# Allegro board RK_EVB1_RK3576_LP4XD200P132SD6_V12_20240530YWQ.brd (continued)
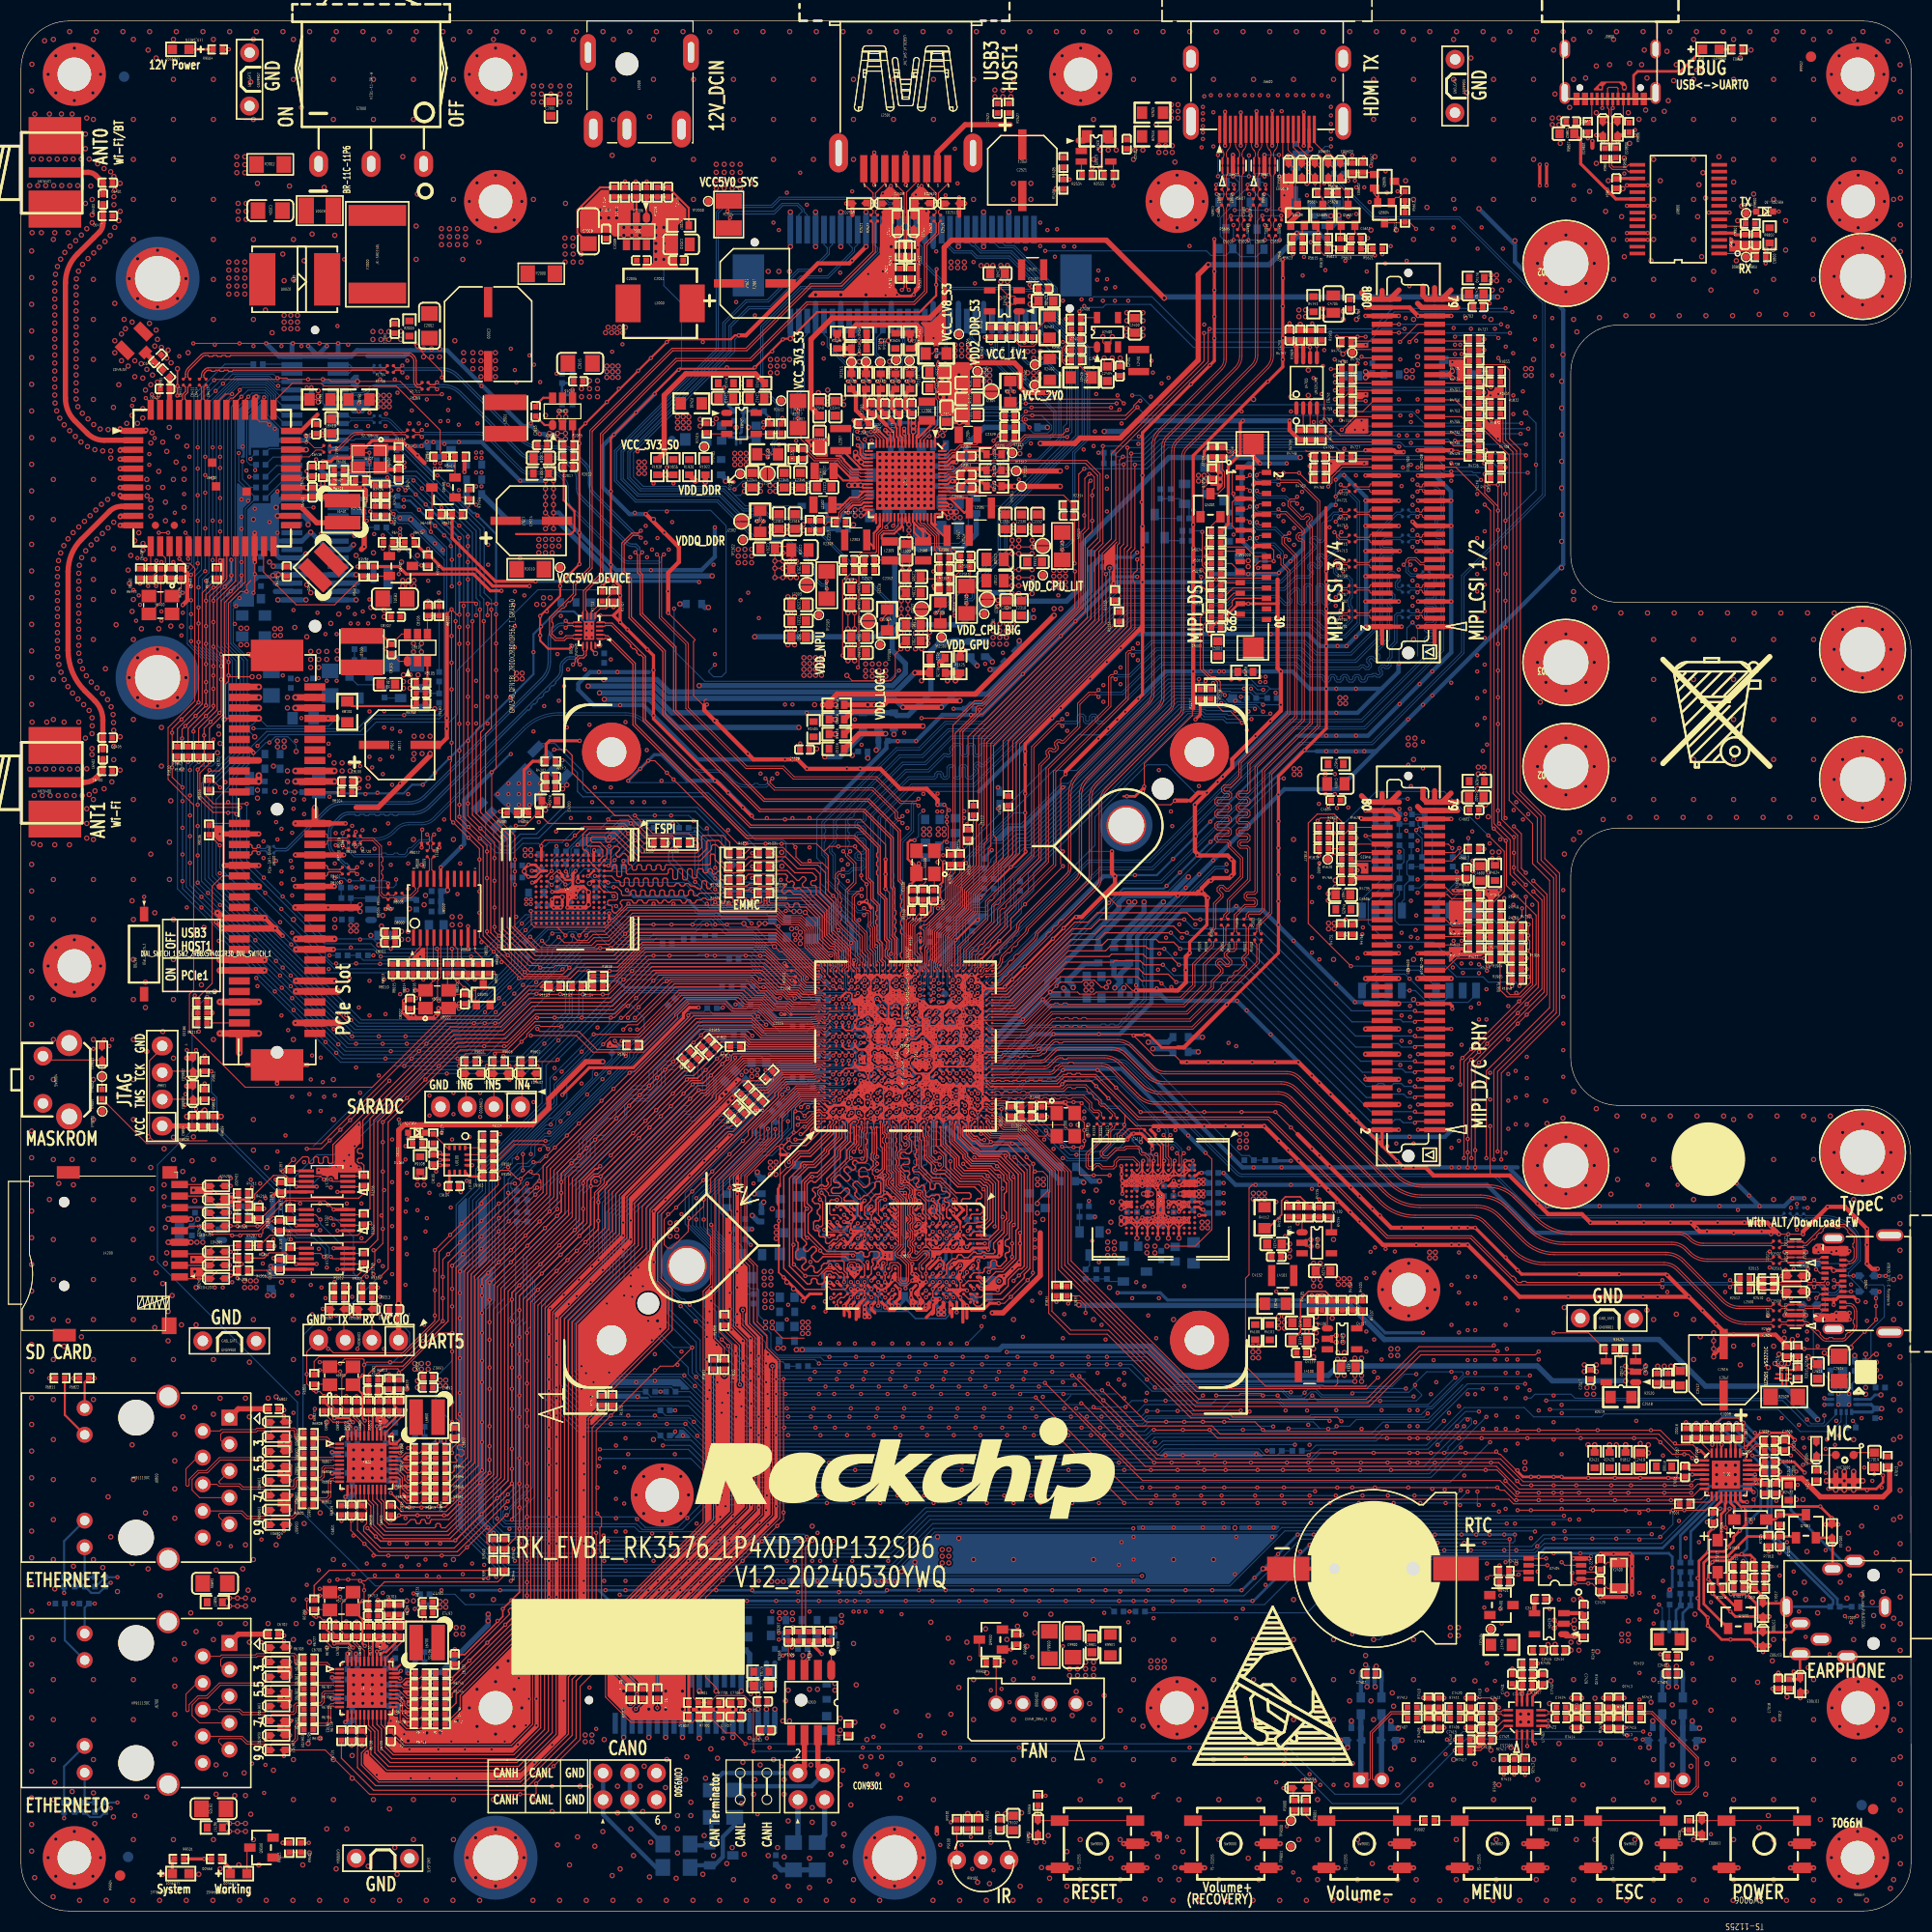
[diagram p0: board, top side]
## Routing (per net, layer and track width the routed paths; a pad name or vN(x,y) marks a point on that pad's centre or on a via; arc(x,y) is an arc through that point) (continued)
LPDDR4_DQ6_B: length 17.1
  TOP w0.097: 76.93,64.67 78.42,64.67 U3800.Y4
  TOP w0.102: U1000.A5 75.97,76.89 74.72,76.89
  TOP w0.137: 74.72,76.89 74.62,76.89 v1(74.29,76.56) ; 76.93,64.67 76.7,64.67 v1(76.49,64.88)
  L4-SIG w0.117: v1(76.49,64.88) 76.49,65.05 76,65.54 76,67.36 75.7,67.66 75.7,69 75.99,69.29 75.99,74.86 74.29,76.56 v1(74.29,76.56)
LPDDR4_DQ7_A: length 15
  TOP w0.137: U1000.AB1 87.6,74.61 87.6,72.93 88.89,71.63 88.89,70.74 89.64,70 91.54,70 91.91,69.63 92.16,69.63 92.57,69.22 92.57,65.66 91.62,64.71 90.76,64.71 U3800.B4
LPDDR4_DQ7_B: length 17.6
  TOP w0.137: U3800.AA4 77.91,64.37 77.77,64.23 77.77,64.07 77.65,63.95 77.35,63.95 76.97,63.57 76.76,63.57 76.62,63.71 76.62,64.07 76.48,64.21 76.12,64.21 75.99,64.34 75.99,64.67 75.85,64.81 75.63,64.81 75.49,64.95 75.49,65.59 75.63,65.73 75.96,65.73 76.09,65.87 76.09,66.17 75.84,66.41 75.84,66.71 76.09,66.96 76.09,67.24 75.96,67.38 75.61,67.38 75.38,67.61 75.38,67.8 75.67,68.09 75.67,68.34 75.4,68.61 75.4,68.77 75.52,68.89 75.89,68.89 76.15,69.15 76.34,69.15 76.49,69.01 76.68,69.01 76.88,69.2 76.88,69.4 76.73,69.54 76.73,69.73 78.67,71.67 78.67,72.47 79.34,73.15 79.34,73.52 79.34,73.53 79.34,74.62 U1000.G1
LPDDR4_DQ8_A: length 24.2
  TOP w0.137: U3800.B11 90.61,58.77 90.93,58.45 91.44,58.45 91.75,58.76 93.25,58.76 94.02,59.53 94.02,60.14 95.04,61.16 95.29,61.16 95.54,61.41 95.54,70.33 94.14,71.74 94.14,72.09 93.87,72.36 91.35,72.36 91.13,72.59 90.91,72.59 89.68,73.81 89.68,74.61 U1000.AF1
LPDDR4_DQ8_B: length 22
  TOP w0.102: U1000.1A1 77.04,75.02 76.82,74.8 76.82,74.53
  TOP w0.137: v1(73.14,71.32) 73.14,71.49 74.03,72.38 74.97,72.38 76.82,74.23 76.82,74.53 ; U3800.AA11 77.87,58.77 77.47,58.37 v1(77.13,58.37)
  L4-SIG w0.117: v1(77.13,58.37) 76.97,58.53 76.43,58.53 75.61,59.36 75.61,60.88 73.14,63.34 v1(73.14,71.32)
LPDDR4_DQ9_A: length 27.2
  TOP w0.137: U3800.C11 90.25,58.29 90.55,58.29 90.74,58.1 90.74,57.84 90.97,57.6 91.35,57.6 91.99,58.24 93.47,58.24 95.54,60.32 95.54,60.65 96.08,61.18 96.08,70.91 94.02,72.97 92.61,72.97 92.5,72.85 91.33,72.85 90.86,73.32 90.62,73.32 90.03,73.91 90.03,74.79 89.65,75.17 U1000.1AB1
LPDDR4_DQ9_B: length 24.1
  TOP w0.137: v1(73.13,72.68) 73.35,72.9 74.76,72.9 76.53,74.67 U1000.B1 ; v1(77.69,57.61) 77.75,57.67 77.75,58.1 78.06,58.42 78.36,58.42 U3800.Y11
  L4-SIG w0.117: v1(77.69,57.61) 76.49,57.61 75.11,58.99 75.11,60.67 72.64,63.14 72.64,72.19 73.13,72.67 v1(73.13,72.68)
LPDDR4_DQ10_A: length 23.4
  TOP w0.137: v1(88.79,58.44) U3800.E11 ; v1(91.73,73.43) 91.4,73.43 91.04,73.79 90.77,73.79 90.47,74.09 90.47,74.8 U1000.1AD1
  L4-SIG w0.117: v1(88.79,58.44) 89.18,58.06 91.42,58.06 92.75,59.39 92.75,60.2 94.03,61.48 94.03,70.56 91.73,72.85 v1(91.73,73.43)
LPDDR4_DQ10_B: length 23.3
  TOP w0.102: 75.76,74.94 76.11,74.94 76.38,75.22 U1000.B2
  TOP w0.137: 75.76,74.94 75.22,74.41 75.22,74.16 74.54,73.47 v1(73.75,73.47) ; v1(79.69,58.44) U3800.V11
  L4-SIG w0.117: v1(79.69,58.44) 79.33,58.08 78.6,58.08 77.69,58.99 76.68,58.99 76.12,59.55 76.12,59.96 76.12,61.46 73.75,63.83 v1(73.75,73.47)
LPDDR4_DQ11_A: length 21.9
  TOP w0.137: U3800.F11 v1(88.14,58.44) ; U1000.AH1 v1(90.84,74.31)
  L4-SIG w0.117: v1(88.14,58.44) 88.52,58.83 89.57,58.83 89.78,58.62 91.27,58.62 92.21,59.56 92.21,60.37 93.53,61.69 93.53,65.55 93.11,65.97 93.11,69.53 92.5,70.15 92.5,71.06 90.84,72.72 v1(90.84,74.31)
LPDDR4_DQ11_B: length 22.9
  TOP w0.137: v1(80.99,58.44) U3800.U11 ; v1(74.25,73.99) 74.43,73.99 74.97,74.53 74.97,74.6 75.59,75.22 U1000.A2
  L4-SIG w0.117: v1(80.99,58.44) 80.58,58.85 78.92,58.85 78.29,59.49 76.89,59.49 76.62,59.75 76.62,61.66 74.25,64.03 v1(74.25,73.99)
LPDDR4_DQ12_A: length 23.7
  TOP w0.137: U3800.F9 88.15,60.7 88.15,61.52 88.74,62.11 89.02,62.11 89.16,62.25 89.16,62.36 89.3,62.5 89.55,62.5 89.82,62.22 90.19,62.22 90.72,62.75 90.9,62.75 91.04,62.61 91.43,62.61 91.57,62.75 91.79,62.75 91.93,62.61 92.61,62.61 92.75,62.75 92.75,62.94 92.62,63.06 92.62,63.6 93.63,64.6 93.63,65.69 93.86,65.92 93.86,66.52 93.64,66.75 93.64,68.3 93.86,68.52 93.86,69.32 93.6,69.58 93.6,70.07 93.12,70.56 92.78,70.56 92.38,70.96 90.46,70.96 90.07,71.34 90.07,71.34 89.7,71.71 89.7,71.99 88.44,73.25 U1000.1Y1
LPDDR4_DQ12_B: length 24.8
  TOP w0.137: U3800.U9 80.99,60.69 80.99,61.34 81.16,61.51 81.16,61.7 81.07,61.79 81.07,62.05 81.19,62.17 81.52,62.17 81.74,62.4 81.74,62.67 81.6,62.81 80.92,62.81 80.78,62.67 80.78,62.44 80.64,62.3 80.37,62.3 80.23,62.44 80.23,62.67 80.1,62.81 79.92,62.81 79.77,62.65 79.54,62.65 79.38,62.81 76.75,62.81 74.97,64.59 74.97,66.39 75.33,66.74 75.33,66.94 74.86,67.4 74.86,69.24 75.16,69.53 75.36,69.53 75.48,69.41 75.67,69.41 78.02,71.75 78.02,72.34 78.99,73.31 78.99,74.9 79.25,75.17 U1000.1E1
LPDDR4_DQ13_A: length 21.8
  TOP w0.137: v1(88.14,76.07) U1000.1W2 ; U3800.E9 v1(88.79,60.69)
  L4-SIG w0.117: v1(88.79,60.69) 89.04,60.95 89.04,62.31 89.29,62.56 90.4,62.56 90.74,62.89 90.74,65.57 90.62,65.69 90.33,65.69 90.21,65.81 90.21,66.04 90.33,66.16 90.62,66.16 90.74,66.27 90.74,66.51 90.62,66.62 90.33,66.62 90.21,66.74 90.21,66.97 90.33,67.09 90.62,67.09 90.74,67.21 90.74,67.44 90.62,67.56 90.33,67.56 90.21,67.68 90.21,67.91 90.33,68.03 90.62,68.03 90.74,68.14 90.74,68.79 88.87,70.65 88.87,71.55 87.73,72.7 87.73,74.34 88.51,75.12 88.51,75.7 v1(88.14,76.07)
LPDDR4_DQ13_B: length 24.4
  TOP w0.137: U1000.1C1 78.51,74.9 78.51,73.46 77.51,72.46 77.51,71.99 75.83,70.31 75.2,70.31 74.35,69.45 74.35,64.13 74.8,63.67 74.8,63.48 74.53,63.21 74.53,63.01 74.72,62.82 74.91,62.82 75.36,63.27 75.56,63.27 75.74,63.08 75.74,62.87 75.3,62.42 75.3,62.23 75.7,61.83 75.89,61.83 76.38,62.32 78.51,62.32 78.78,62.05 79.79,62.05 80.34,61.51 80.34,60.51 80.2,60.37 U3800.V9
LPDDR4_DQ14_A: length 21.5
  TOP w0.137: v1(88.79,76.11) 88.79,76.11 U1000.1AA3 ; v1(90.09,60.84) 90.09,60.69 U3800.C9
  L4-SIG w0.117: v1(90.09,60.84) 89.96,60.98 89.96,61.93 90.07,62.05 90.59,62.05 91.23,62.69 91.23,66.45 91.35,66.57 91.49,66.57 91.61,66.69 91.61,66.92 91.49,67.04 91.35,67.04 91.23,67.15 91.23,67.39 91.35,67.5 91.49,67.5 91.61,67.62 91.61,67.85 91.49,67.97 91.35,67.97 91.23,68.09 91.23,69.03 90.64,69.62 90.64,69.79 90.79,69.94 90.79,70.1 90.63,70.27 90.46,70.27 90.31,70.12 90.14,70.12 89.37,70.89 89.37,71.76 88.84,72.29 88.84,72.63 88.72,72.74 88.42,72.74 88.31,72.86 88.31,73.09 88.42,73.21 88.72,73.21 88.84,73.33 88.84,73.56 88.72,73.68 88.34,73.68 88.23,73.8 88.23,74.03 88.34,74.15 88.72,74.15 88.84,74.26 88.84,75.97 88.79,76.02 v1(88.79,76.11)
LPDDR4_DQ14_B: length 23.9
  TOP w0.137: U3800.Y9 78.72,60.66 78.39,60.99 78.39,61.78 78.25,61.92 76.97,61.92 76.73,61.68 76.48,61.68 76.24,61.44 76.24,61.19 75.85,60.8 75.66,60.8 75.52,60.94 75.52,61.28 75.35,61.45 75.15,61.45 74.76,61.05 74.57,61.05 74.37,61.25 74.37,61.44 74.76,61.83 74.76,62.03 74.57,62.22 74.38,62.22 74.18,62.03 73.99,62.03 73.78,62.24 73.78,62.76 74,62.98 74,63.65 73.83,63.83 73.83,69.67 74.99,70.83 75.62,70.83 76.94,72.15 76.94,72.4 78.19,73.65 U1000.E1
LPDDR4_DQ15_A: length 23
  TOP w0.137: U3800.B9 90.42,60.48 90.72,60.78 91.58,60.78 91.72,60.92 91.72,61.15 91.86,61.29 92.23,61.29 92.37,61.42 92.37,61.85 92.51,61.99 92.78,61.99 92.92,61.85 92.92,61.54 93.05,61.4 93.28,61.4 93.85,61.97 93.85,62.19 93.73,62.31 93.73,62.58 93.86,62.71 94.01,62.71 94.15,62.85 94.15,63.15 94.01,63.29 93.86,63.29 93.73,63.42 93.73,63.79 93.89,63.95 94.01,63.95 94.14,64.09 94.14,65.47 94.38,65.71 94.38,69.53 94.12,69.79 94.12,70.29 93.01,71.4 90.64,71.4 90.64,71.4 90.42,71.62 90.14,71.9 90.14,72.17 88.9,73.42 88.9,74.9 89.04,75.05 U1000.1AA1
LPDDR4_DQ15_B: length 23.2
  TOP w0.137: U3800.AA9 77.99,60.37 77.58,60.78 77.33,60.78 77.17,60.94 76.71,60.94 76.49,60.72 76.49,59.9 76.31,59.71 75.95,59.71 75.81,59.85 75.81,60.1 75.68,60.23 75.4,60.23 75.26,60.1 75.26,59.85 75.13,59.71 74.89,59.71 73.19,61.41 73.19,69.79 74.24,70.84 74.24,71.13 74.46,71.34 75.4,71.34 76.49,72.44 76.49,72.59 77.64,73.74 U1000.D1
LPDDR4_DQS0N_A: length 13.1
  TOP w0.107: U3800.E3 v1(88.79,65.49) ; U1000.Y1 86.5,74.61 86.5,74.31 86.38,74.19 86.38,73.89 86.5,73.77 86.5,71.86 87.05,71.3 87.28,71.3 v1(87.5,71.08)
  L4-SIG w0.089: v1(87.5,71.08) 87.7,71.29 87.82,71.29 87.92,71.19 87.92,70.56 88.08,70.4 88.08,70.16 88.28,69.97 88.51,69.97 88.71,69.77 88.71,69.54 88.91,69.34 89.14,69.34 89.34,69.14 89.34,68.86 89.18,68.7 89.18,68.42 89.34,68.25 89.34,67.97 89.18,67.81 89.18,67.53 89.34,67.36 89.34,66.8 89.18,66.63 89.18,66.35 89.34,66.19 89.34,65.44 89.12,65.22 88.88,65.22 88.79,65.31 v1(88.79,65.49)
LPDDR4_DQS0N_B: length 19.1
  TOP w0.107: v1(79.97,72.3) 79.77,72.5 79.77,72.65 80.02,72.91 80.02,74.27 80.12,74.37 80.12,74.81 80.04,74.88 U1000.1F1 ; U3800.V3 v1(80.34,65.49)
  L4-SIG w0.089: v1(80.34,65.49) 80.18,65.66 80.18,65.98 79.82,66.34 79.82,66.47 79.91,66.56 80.02,66.56 80.26,66.79 80.26,67.17 79.92,67.51 79.92,67.78 79.69,68.02 79.22,68.02 79.13,68.11 79.13,68.4 79.22,68.49 79.98,68.49 80.54,67.93 80.96,67.93 81.19,68.17 81.19,68.91 80.6,69.5 80.6,70.7 80.36,70.94 79.78,70.94 79.54,70.7 79.54,69.45 79.45,69.36 79.22,69.36 79.13,69.45 79.13,70.91 79.76,71.54 79.76,72.1 v1(79.97,72.3)
LPDDR4_DQS0P_A: length 13.2
  TOP w0.107: U3800.D3 v1(88.79,64.84) ; v1(87.5,71.74) 87.28,71.53 87.14,71.53 86.72,71.95 86.72,75.09 U1000.1U1
  L4-SIG w0.089: v1(88.79,64.84) 88.92,64.97 89.23,64.97 89.59,65.33 89.59,69.25 88.18,70.66 88.18,71.29 87.93,71.54 87.7,71.54 v1(87.5,71.74)
LPDDR4_DQS0P_B: length 18.6
  TOP w0.107: U3800.W3 v1(79.69,65.49) ; U1000.H1 79.9,74.61 79.9,74.46 79.8,74.36 79.8,73 79.54,72.75 79.54,72.54 v1(79.31,72.3)
  L4-SIG w0.089: v1(79.31,72.3) 79.51,72.1 79.51,71.64 78.88,71.01 78.88,69.34 79.11,69.1 79.56,69.1 79.8,69.34 79.8,70.59 79.89,70.68 80.25,70.68 80.34,70.59 80.34,69.4 80.94,68.8 80.94,68.28 80.85,68.19 80.64,68.19 80.08,68.75 79.11,68.75 78.88,68.51 78.88,68 79.11,67.76 79.58,67.76 79.67,67.67 79.67,67.4 80.01,67.07 80.01,66.9 79.92,66.81 79.8,66.81 79.57,66.57 79.57,66.24 79.92,65.88 79.92,65.73 v1(79.69,65.49)
LPDDR4_DQS1N_A: length 23.2
  TOP w0.107: U3800.E10 v1(88.14,59.89) ; v1(89.9,76.11) U1000.1AB3
  L4-SIG w0.089: v1(88.14,59.89) 88.35,59.68 88.35,59.55 88.59,59.31 89.69,59.31 92.76,62.37 92.76,64.67 92.36,65.07 92.36,65.36 92.5,65.5 92.5,68.91 91.61,69.79 91.61,70.56 91.1,71.06 90.59,71.06 90.45,71.21 90.45,72.2 89.83,72.82 89.83,73.6 90.08,73.86 90.08,74.75 89.58,75.26 89.58,76.18 89.66,76.27 89.74,76.27 v1(89.9,76.11)
LPDDR4_DQS1N_B: length 23.3
  TOP w0.102: U1000.B3 76.38,75.77 76.11,76.04 75.83,76.04 75.82,76.04
  TOP w0.107: v1(73.98,75.53) 74.2,75.31 74.74,75.31 75.36,75.93 75.71,75.93 75.82,76.04 ; U3800.V10 v1(79.69,59.89)
  L4-SIG w0.089: v1(79.69,59.89) 79.48,60.11 79.48,60.28 79.12,60.64 78.62,60.64 78.53,60.72 78.53,62.17 78.01,62.7 77.15,62.7 75.22,64.62 75.22,65.86 75.45,66.09 75.45,67.15 74.99,67.62 74.99,68.04 75.22,68.26 75.22,69.32 74.99,69.54 74.99,70.34 75.22,70.58 75.22,74.93 74.83,75.32 74.19,75.32 v1(73.98,75.53)
LPDDR4_DQS1P_A: length 23.2
  TOP w0.107: U3800.D10 v1(88.79,59.89) ; v1(89.9,76.71) U1000.1AB4
  L4-SIG w0.089: v1(89.9,76.71) 89.9,76.62 89.8,76.53 89.56,76.53 89.32,76.29 89.32,75.15 89.83,74.64 89.83,73.96 89.58,73.71 89.58,72.72 90.19,72.1 90.19,71.11 90.49,70.81 90.99,70.81 91.35,70.45 91.35,69.69 92.24,68.8 92.24,67.49 92.11,67.35 92.11,67.05 92.24,66.91 92.24,66.61 92.11,66.47 92.11,66.17 92.24,66.04 92.24,65.6 92.11,65.47 92.11,64.96 92.5,64.57 92.5,63.86 92.37,63.72 92.37,63.42 92.5,63.28 92.5,62.48 89.59,59.57 88.7,59.57 88.61,59.65 88.61,59.71 v1(88.79,59.89)
LPDDR4_DQS1P_B: length 22.4
  TOP w0.107: v1(73.98,74.87) 74.2,75.09 74.84,75.09 75.45,75.71 75.93,75.71 U1000.A3 ; U3800.W10 v1(79.04,59.89)
  L4-SIG w0.089: v1(73.98,74.87) 74.17,75.07 74.73,75.07 74.97,74.82 74.97,74.38 74.85,74.26 74.85,73.96 74.97,73.84 74.97,73.56 74.81,73.4 74.81,73.12 74.97,72.95 74.97,70.68 74.74,70.45 74.74,69.44 74.96,69.21 74.96,68.37 74.74,68.14 74.74,67.51 75.2,67.05 75.2,66.19 74.97,65.96 74.97,64.52 77.05,62.44 77.9,62.44 78.28,62.06 78.28,60.62 78.52,60.38 79.02,60.38 79.23,60.17 79.23,60.08 v1(79.04,59.89)
LPDDR4_RESET: length 43.1
  TOP w0.114: U1000.1U5 86.39,77.82 v1(86.39,77.82) ; U3800.T11 81.64,58.44 v1(81.64,57.64)
  L4-SIG w0.091: v1(86.39,77.82) 86.79,78.22 91.41,78.22 91.99,77.65 91.99,74.99 95.49,71.49 95.49,60.2 93.53,58.24 92.88,58.24 91.94,57.3 89.95,57.3 89.67,57.57 88.98,57.57 88.66,57.89 86.97,57.89 86.1,57.02 81.9,57.02 81.64,57.28 v1(81.64,57.64)
  BOTTOM w0.114: v1(81.64,57.64) 81.74,57.74 C3800.1
MIC2N: length 5.5
  TOP w0.102: C7006.2 167.95,43.85 C7020.2 168.34,44.24 168.56,44.24 170.19,42.62 170.86,42.62 170.98,42.49 R7014.1
MIC2P: length 6.8
  TOP w0.102: C7005.2 167.97,44.82 C7020.1 168.34,44.44 168.65,44.44 170.09,43 170.62,43 ED7004.1 171.05,43.43 MIC7000.4
MIC_INP_PHONE: length 31.7
  TOP w0.254: C7002.2 162.52,46.35 162.54,46.37 162.54,46.37 v1(162.65,46.47) ; R7007.1 165.02,30.83 R7009.1 165.88,29.97 ED7000.1 167.81,29.3 J7000.4
  BOTTOM w0.254: J7000.4 C7014.1 172.59,29.26 172.59,29.62 166.36,35.85 166.36,42.76 v1(162.65,46.47)
MIPI_CSI1/2_AVDD0V75: length 47
  TOP w0.229: U1000.2L11 v1(87.17,85.62)
  TOP w0.508: v2(89.42,115.26) 82.52,115.26 81.51,114.24 79.17,114.24 R1500.1
  L4-SIG w0.178: 88.92,89.37 88.37,88.82 88.37,86.62 87.37,85.62 v1(87.17,85.62)
  L4-SIG w0.508: v2(89.42,115.26) 89.42,109.81 93.07,106.17 v1(93.07,105) 93.07,96.34 92.26,95.54 92.26,93.57 88.92,90.22 88.92,89.37
  BOTTOM w0.305: v1(87.17,85.62) 87.45,85.9 C1500.1
  BOTTOM w0.508: C1501.1 93.17,105.11 v1(93.07,105)
MIPI_CSI1/2_AVDD1V8: length 37.5
  TOP w0.229: v1(87.41,86.57) U1000.1W20
  L4-SIG w0.178: v1(87.41,86.57) 87.8,86.96 87.8,88.72 87.67,88.85 87.67,89.57
  L4-SIG w0.457: 87.67,91.26 87.67,91.87 90.13,94.33 90.13,96.45 91.83,98.15 91.83,105.68 88.23,109.28 v2(88.23,117.17)
  L4-SIG w0.508: 87.67,89.57 87.67,91.26
  BOTTOM w0.305: C1502.1 87.78,86.64 87.47,86.64 v1(87.41,86.57)
  BOTTOM w0.508: R1501.1 89,118.24 88.23,117.47 v2(88.23,117.17)
MIPI_CSI1/2_D2N: length 2.9
  TOP w0.089: CON4700.21 133.55,130.32 133.46,130.4 133.46,130.51 133.37,130.6 133.21,130.6 v1(133,130.39)
  BOTTOM w0.089: R4712.2 132.34,130.6 132.78,130.6 v1(133,130.39)
MIPI_CSI1/2_D2P: length 2.9
  TOP w0.089: CON4700.23 133.55,131.12 133.46,131.03 133.46,130.92 133.37,130.83 133.21,130.83 v1(133,131.04)
  BOTTOM w0.089: R4714.2 132.34,130.83 132.78,130.83 v1(133,131.04)
MIPI_CSI1/2_D3N: length 2.9
  TOP w0.089: v1(133,132.79) 133.21,133 133.37,133 133.46,132.91 133.46,132.8 133.55,132.72 CON4700.27
  BOTTOM w0.089: v1(133,132.79) 132.78,133 132.34,133 R4716.2
MIPI_CSI1/2_D3P: length 2.9
  TOP w0.089: CON4700.29 133.55,133.52 133.46,133.43 133.46,133.32 133.37,133.23 133.21,133.23 v1(133,133.44)
  BOTTOM w0.089: v1(133,133.44) 132.78,133.23 132.34,133.23 R4718.2
MIPI_CSI1_CLKN: length 5.6
  TOP w0.089: CON4700.15 133.92,127.92 133.63,128.2 133.25,128.2 132.79,128.66 132.22,128.66 132.12,128.56 132.12,128.43 v1(132.34,128.22)
  BOTTOM w0.089: R4708.2 133.33,127.34 132.43,127.34 132.12,127.64 132.12,128 v1(132.34,128.22)
MIPI_CSI1_CLKP: length 6.3
  TOP w0.089: v1(131.68,128.22) 131.9,128.43 131.9,128.65 132.13,128.89 132.88,128.89 133.34,128.43 133.6,128.43 133.89,128.72 CON4700.17
  BOTTOM w0.089: R4710.2 133.33,127.11 132.33,127.11 131.9,127.55 131.9,128 v1(131.68,128.22)
MIPI_CSI1_D0N: length 2.9
  TOP w0.089: CON4700.3 133.55,123.12 133.46,123.2 133.46,123.31 133.37,123.4 133.21,123.4 v1(133,123.19)
  BOTTOM w0.089: R4700.2 132.34,123.4 132.78,123.4 v1(133,123.19)
MIPI_CSI1_D0P: length 2.9
  TOP w0.089: CON4700.5 133.55,123.92 133.46,123.83 133.46,123.72 133.37,123.63 133.21,123.63 v1(133,123.84)
  BOTTOM w0.089: v1(133,123.84) 132.78,123.63 132.34,123.63 R4704.2
MIPI_CSI1_D1N: length 2.9
  TOP w0.089: CON4700.9 133.55,125.52 133.46,125.6 133.46,125.71 133.37,125.8 133.21,125.8 v1(133,125.59)
  BOTTOM w0.089: R4706.2 132.34,125.8 132.78,125.8 v1(133,125.59)
MIPI_CSI1_D1P: length 2.9
  TOP w0.089: v1(133,126.24) 133.21,126.03 133.37,126.03 133.46,126.12 133.46,126.23 133.55,126.32 CON4700.11
  BOTTOM w0.089: R4703.2 132.34,126.03 132.78,126.03 v1(133,126.24)
MIPI_CSI1_RX_XHS/MIPI_CSI2_PWM: length 4.4
  TOP w0.102: CON4700.59 137.82,145.52 R4756.2 R4757.2
MIPI_CSI1_RX_XVS/MIPI_CSI1_PWM: length 4.4
  TOP w0.102: R4755.2 R4753.2 137.83,144.72 CON4700.57
MIPI_CSI2_CLKN: length 3
  TOP w0.089: CON4700.33 133.55,135.12 133.46,135.2 133.46,135.31 133.37,135.4 133.21,135.4 v1(133,135.19)
  BOTTOM w0.089: R4720.2 133.66,135.4 133.21,135.4 v1(133,135.19)
MIPI_CSI2_CLKP: length 3
  TOP w0.089: v1(133,135.84) 133.21,135.63 133.37,135.63 133.46,135.72 133.46,135.83 133.55,135.92 CON4700.35
  BOTTOM w0.089: v1(133,135.84) 133.21,135.63 133.66,135.63 R4722.2
MIPI_CSI2_I2C_SCL/SAI_LRCK: length 52.1
  TOP w0.102: v1(131.33,149.44) 133.01,151.12 CON4700.73
  L4-SIG w0.102: v1(131.33,149.44) 129.7,147.8 129.7,107.4 132.12,104.97 v1(132.29,104.97)
  BOTTOM w0.102: v1(132.29,104.97) 132.47,104.79 R4744.2 R4743.2
MIPI_CSI2_I2C_SDA: length 51.6
  TOP w0.102: v1(132.24,149.42) 133.13,150.32 CON4700.71
  L4-SIG w0.102: v1(132.07,105.92) 130.22,107.78 130.22,147.4 v1(132.24,149.42)
  BOTTOM w0.102: R4742.2 130.48,105.92 v1(132.07,105.92)
MIPI_CSI3/4_AVDD0V75: length 29.1
  TOP w0.229: U1000.2D11 v1(81.97,85.62)
  L4-SIG w0.203: v1(81.97,85.62) 81.75,85.62 80.94,86.43 80.05,86.43 78.53,87.96 78.53,88.84
  L4-SIG w0.508: v2(75.78,110.69) 75.78,93.14 77.89,91.03 77.89,89.86 78.53,89.23 78.53,88.84
  BOTTOM w0.305: v1(81.97,85.62) 81.95,85.6 C1507.1
MIPI_CSI3/4_AVDD1V8: length 32.6
  TOP w0.229: v1(82.01,86.17) 82.01,86.16 82.07,86.16 U1000.2D12
  L4-SIG w0.203: v1(82.01,86.17) 82,86.16 81.71,86.16 80.77,87.1 80.77,88.97 80.56,89.18
  L4-SIG w0.508: 80.56,89.18 79.88,89.86 79.03,89.86 78.5,90.39 78.5,91.41 76.6,93.31 76.6,109.87 v2(76.54,109.93)
  BOTTOM w0.305: C1510.1 81.94,86.22 82,86.17 v1(82.01,86.17)
  BOTTOM w0.508: R1507.1 80.19,112.11 78.01,109.93 v2(76.54,109.93)
MIPI_CSI3/4_D2N: length 2.8
  TOP w0.089: CON4700.22 128.55,130.32 128.46,130.4 128.46,130.51 128.37,130.6 127.26,130.6 R4713.1
MIPI_CSI3/4_D2P: length 2.8
  TOP w0.089: CON4700.24 128.55,131.12 128.46,131.03 128.46,130.92 128.37,130.83 127.26,130.83 R4715.1
MIPI_CSI3/4_D3N: length 2.8
  TOP w0.089: R4717.1 127.26,133 128.37,133 128.46,132.91 128.46,132.8 128.55,132.72 CON4700.28
MIPI_CSI3/4_D3P: length 2.8
  TOP w0.089: R4719.1 127.26,133.23 128.37,133.23 128.46,133.32 128.46,133.43 128.55,133.52 CON4700.30
MIPI_CSI3_CLKN: length 2.8
  TOP w0.089: CON4700.16 128.55,127.92 128.46,128 128.46,128.11 128.37,128.2 127.26,128.2 R4709.1
MIPI_CSI3_CLKP: length 2.8
  TOP w0.089: CON4700.18 128.55,128.72 128.46,128.63 128.46,128.52 128.37,128.43 127.26,128.43 R4711.1
MIPI_CSI3_D0N: length 2.8
  TOP w0.089: R4701.1 127.26,123.4 128.37,123.4 128.46,123.31 128.46,123.2 128.55,123.12 CON4700.4
MIPI_CSI3_D0P: length 2.8
  TOP w0.089: CON4700.6 128.55,123.92 128.46,123.83 128.46,123.72 128.37,123.63 127.26,123.63 R4705.1
MIPI_CSI3_D1N: length 2.8
  TOP w0.089: R4702.1 127.26,125.8 128.37,125.8 128.46,125.71 128.46,125.6 128.55,125.52 CON4700.10
MIPI_CSI3_D1P: length 2.8
  TOP w0.089: R4707.1 127.26,126.03 128.37,126.03 128.46,126.12 128.46,126.23 128.55,126.32 CON4700.12
MIPI_CSI3_RX_XHS/MIPI_CSI4_PWM: length 4.1
  TOP w0.102: R4764.2 R4763.2 127.01,145.52 CON4700.60
MIPI_CSI3_RX_XVS/MIPI_CSI3_PWM: length 4.4
  TOP w0.102: CON4700.58 128.7,144.72 128.59,144.83 R4759.2 125.78,143.93 R4761.2
MIPI_CSI4_CLKN: length 2.8
  TOP w0.089: CON4700.34 128.55,135.12 128.46,135.2 128.46,135.31 128.37,135.4 127.26,135.4 R4721.1
MIPI_CSI4_CLKP: length 2.8
  TOP w0.089: R4723.1 127.26,135.63 128.37,135.63 128.46,135.72 128.46,135.83 128.55,135.92 CON4700.36
MIPI_CSI4_I2C_SCL/SAI_SDI0/SPDIF_RX: length 72.8
  TOP w0.102: v1(142.95,95.49) 142.95,94.73 R4751.2 R4749.2 R4750.2 ; CON4700.74 v1(131.23,151.12)
  L4-SIG w0.102: v1(140.96,151.12) 141.05,151.02 141.05,142.1 140.12,141.17 140.12,111.85 140.72,111.25 140.72,105.78 142.95,103.54 v1(142.95,95.49)
  BOTTOM w0.102: v1(131.23,151.12) v1(140.96,151.12)
MIPI_CSI4_I2C_SDA/SAI_SCLK: length 83.8
  TOP w0.102: v1(143.68,94.76) 143.97,94.48 143.97,88.22 142.81,87.07 141.52,87.07 140.87,87.72 R4746.2 R4747.2 ; CON4700.72 v1(131.23,150.32)
  L4-SIG w0.102: v1(141.81,150.28) 141.76,150.24 141.76,141.92 141.02,141.18 141.02,111.95 141.22,111.75 141.22,106.28 143.68,103.83 143.68,96.21 143.55,96.08 143.55,94.89 v1(143.68,94.76)
  BOTTOM w0.102: v1(141.81,150.28) 131.26,150.28 v1(131.23,150.32)
MIPI_CSI_SAI_MCLK: length 3
  TOP w0.102: CON4700.70 126.78,149.52 R4745.2
MIPI_DCPHY_AVDD: length 104.7
  TOP w0.229: U1000.2M7 87.49,82.69 v1(87.81,83.02)
  TOP w0.508: R1503.1 R1502.1 v2(84.67,149.65)
  L4-SIG w0.089: 90.28,83.34 90.08,83.34 ; 90.28,83.34 90.59,83.34 90.75,83.18 ; 90.28,83.34 90.09,83.15 ; 90.08,83.34 90.08,83.16 ; 90.08,83.34 89.9,83.34 ; 90.08,83.16 90.09,83.15 ; 90.08,83.16 89.9,83.34 ; 90.09,83.15 90.09,82.88 ; 89.39,82.82 89.39,83.16 ; 89.39,82.82 89.59,82.62 ; 89.39,82.82 89.19,82.62 ; 89.39,83.16 89.58,83.34 ; 89.39,83.16 89.21,83.34 ; 90.34,82.62 90.09,82.87 ; 90.09,82.87 90.09,82.88 ; 90.09,82.87 90.09,82.63 90.08,82.62 ; 88.6,83.34 88.93,83.34 ; 88.6,83.34 88.33,83.34 ; 88.6,83.34 88.77,83.18 88.93,83.34 ; 88.93,83.34 89.21,83.34 ; 88.14,83.34 88.33,83.34 ; 88.14,83.34 v1(87.81,83.02) 87.81,83.25 87.9,83.34 88.14,83.34 ; 88.33,83.34 88.01,83.02 88,83.02 ; 89.83,82.62 90.09,82.88 ; 90.88,82.67 90.8,82.75 90.8,82.88 ; 90.8,82.88 90.74,82.88 90.75,82.88 90.75,82.93 ; 90.8,82.88 90.75,82.93 ; 90.8,82.88 90.8,83.13 90.75,83.18 ; 90.75,82.93 90.75,83.18 ; 89.9,83.34 89.58,83.34 ; 89.58,83.34 89.21,83.34
  L4-SIG w0.102: 88.05,82.62 87.92,82.62 87.81,82.72 v1(87.81,83.02) ; 88.05,82.62 88.05,82.78 v1(87.81,83.02) ; 88.05,82.62 88.39,82.62 ; 88.56,82.62 88.39,82.62 ; 88.56,82.62 88.86,82.62 ; 88.56,82.62 88.71,82.77 88.86,82.62 ; 88.39,82.62 88,83.02 v1(87.81,83.02) ; 90.8,82.75 90.67,82.62 ; 90.67,82.62 91.17,82.62 ; 90.67,82.62 90.49,82.62 ; 91.17,82.62 91.29,82.62 91.99,83.32 ; 91.17,82.62 91.22,82.67 ; 90.49,82.62 88.86,82.62 ; 90.49,82.62 90.74,82.88
  L4-SIG w0.152: 91.26,82.71 90.96,82.71 90.94,82.73 ; 91.26,82.71 91.22,82.67 90.88,82.67 ; 91.26,82.71 91.28,82.73 ; 91.99,83.32 91.87,83.32 91.52,82.96 ; 91.52,82.96 91.52,83.29 91.61,83.38 ; 91.52,82.96 91.28,82.73 ; 91.28,82.73 90.94,82.73 ; 90.94,82.73 90.8,82.88
  L4-SIG w0.305: 90.88,149.13 90.88,149.3 90.41,149.77 87.89,149.77 87.37,149.25 86.65,149.25 86.26,149.65 v2(84.67,149.65)
  L4-SIG w0.508: 90.88,149.13 90.88,139.61 91.84,138.65 91.84,134.67 91.1,133.93 91.1,120.08 91.61,119.57 92.77,119.57 96.87,115.47 96.87,112.81 98.06,111.61 98.06,93.59 99.29,92.36 v2(99.29,87.9) 94.72,83.32 91.99,83.32
  BOTTOM w0.305: C1504.1 87.52,83.31 v1(87.81,83.02)
  BOTTOM w0.508: v2(99.29,87.9) 99.68,87.51 C1505.1
MIPI_DCPHY_AVDD1V2: length 44.9
  TOP w0.229: v1(87.81,83.67) 87.49,83.34 U1000.2M8
  L4-SIG w0.178: v1(87.81,83.67) 88.54,84.4 92.04,84.4 92.55,84.91
  L4-SIG w0.508: 92.55,84.91 96.84,89.2 96.84,111.11 95.65,112.3 95.65,114.88 v2(92.3,118.23)
  BOTTOM w0.305: C1506.1 87.6,83.88 v1(87.81,83.67)
  BOTTOM w0.508: v2(92.3,118.23) 93.06,118.23 R1504.1
MIPI_DCPHY_AVDD1V8: length 45
  TOP w0.229: U1000.2P8 v1(89.12,83.67)
  L4-SIG w0.178: v1(89.12,83.67) 89.49,84.04 92.55,84.04
  L4-SIG w0.508: 92.55,84.04 92.91,84.4 94.02,84.4 97.45,87.83 97.45,111.36 96.26,112.56 96.26,115.22 v2(92.51,118.96)
  BOTTOM w0.305: C1509.1 89.43,83.35 v1(89.12,83.67)
  BOTTOM w0.508: v2(92.51,118.96) 92.02,119.46 R1506.1
MIPI_DCPHY_VREG: length 1
  TOP w0.229: v1(88.46,83.02) 88.14,82.69 U1000.2N7
  BOTTOM w0.305: v1(88.46,83.02) 88.23,82.79 C1503.1
MIPI_DPHY_CSI0_CAM_CLKOUT: length 157.5
  TOP w0.102: CON4600.39 135.61,89.6 136.73,90.73 v1(139.35,90.73)
  L4-SIG w0.102: v1(136.59,50.8) 136.59,73.73 139.2,76.34 139.2,90.59 v1(139.35,90.73)
  BOTTOM w0.102: R1951.2 75.28,78.3 73.51,78.3 73.21,78 72.87,78 72.75,78.12 72.37,78.12 60.63,66.39 60.63,60.29 65.7,55.22 65.7,51.47 69.65,47.52 106.29,47.52 107,48.23 113.35,48.23 113.86,48.74 119.74,48.74 120.25,48.23 134.02,48.23 v1(136.59,50.8)
MIPI_DPHY_CSI0_PDN_H: length 163.5
  TOP w0.102: v1(139.36,93.49) 139.07,93.78 R4613.1 ; v1(78.24,79.2) U1000.1C7
  L4-SIG w0.102: v1(133.97,47.39) 135.14,48.56 135.14,75.1 136.72,76.68 136.72,91.54 137.09,91.91 137.79,91.91 v1(139.36,93.49)
  BOTTOM w0.102: v1(78.24,79.2) 77.89,78.85 77.09,78.85 76.8,79.14 74.99,79.14 74.78,78.94 72.32,78.94 67.87,74.49 66.97,74.49 59.63,67.15 59.63,60.21 61.59,58.25 61.59,56.89 64.3,54.17 64.3,51.37 69.28,46.4 106.82,46.4 107.36,46.94 123.14,46.94 123.23,47.03 133.62,47.03 v1(133.97,47.39)
MIPI_DPHY_CSI0_PWM: length 1.1
  TOP w0.102: R1947.2 R4615.1
MIPI_DPHY_CSI0_PWREN_H: length 178
  TOP w0.102: U1000.1D7 v1(78.84,79.2) ; R4617.1 v1(139.36,101.14)
  L4-SIG w0.102: v1(143.7,51) 143.7,66.17 142.92,66.96 142.92,73.14 143.76,73.98 143.76,88.25 142.92,89.1 142.92,90.24 142.15,91 142.15,94.05 139.36,96.85 v1(139.36,101.14)
  BOTTOM w0.102: v1(143.7,51) 143.6,50.9 137.48,50.9 134.4,47.82 133.9,47.82 133.35,47.27 122.85,47.27 122.72,47.14 107.18,47.14 106.77,46.73 69.44,46.73 64.68,51.49 64.68,54.35 61.79,57.25 61.79,58.34 59.91,60.22 59.91,66.92 67.2,74.21 67.88,74.21 72.38,78.71 74.84,78.71 75,78.86 76.7,78.86 76.91,78.65 78.29,78.65 v1(78.84,79.2)
